# Altium PCB BC2-1AA.PcbDoc (part 2 of 2)
Units mm, origin at the board's own origin, x right, y up, seen from the top; angles counter-clockwise.
Board outline 200 x 80 mm, 4 copper layers (Top Layer, Mid 1 (GND), Mid 2 (PWR), Bottom Layer), stack 1.586 mm thick; 113 components, 55 nets, 355 pads, 77 vias.
Unrouted connection lines stored in the file: 7.
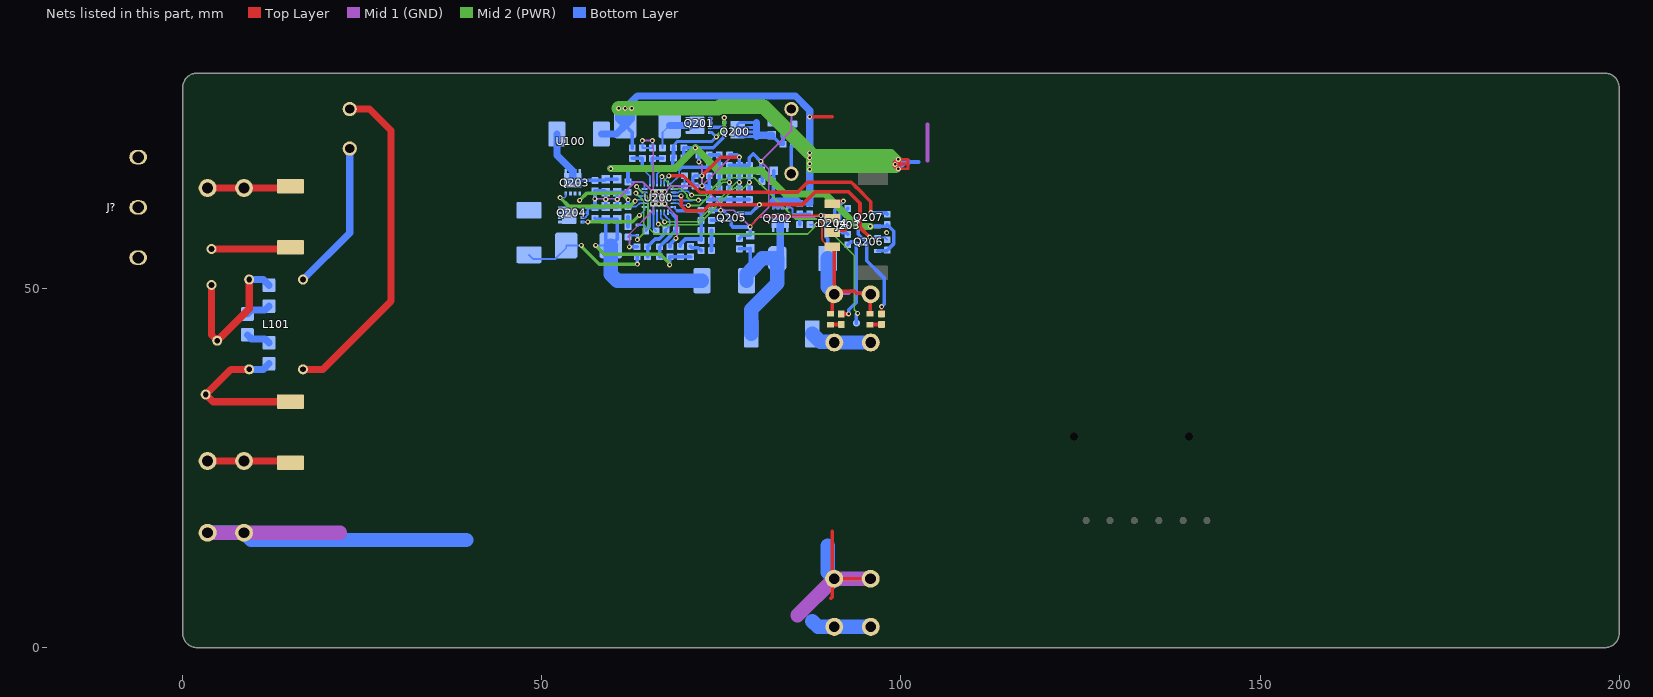
[diagram p4: the nets of this part, all layers, seen from the top]

## Part data (continued)
R222: "RES SM 0603 62K", Absolute Value=62000, Manufacturer=GENERIC, Manufacturer 1=YAGEO, Manufacturer Part Number 1=RC0603FR-1362KL, Manufacturer Part Number 2=RC0603FR-1062KL, Package=0603, Supplier Part Number 1=13-RC0603FR-1362KLCT-ND, Eurocircuits GPN=GPR060362K, HelpURL=https://www.yageo.com/upload/media/product/productsearch/datasheet/rchip/PYu-RC_Group_51_RoHS_L_12.pdf, Manufacturer 2=YAGEO, Part Number=62K/0603, Supplier 1=Digi-Key, Supplier 2=Digi-Key, Supplier Part Number 2=13-RC0603FR-1062KLCT-ND
R223: "RES SM 0603 24K", Absolute Value=24000, Manufacturer=GENERIC, Manufacturer 1=YAGEO, Manufacturer Part Number 1=RC0603FR-1324KL, Manufacturer Part Number 2=RC0603FR-1024KL, Package=0603, Supplier Part Number 1=13-RC0603FR-1324KLCT-ND, Eurocircuits GPN=GPR060324K, HelpURL=https://www.yageo.com/upload/media/product/app/datasheet/rchip/pyu-rc_group_51_rohs_l.pdf, Manufacturer 2=YAGEO, Part Number=24K/0603, Supplier 1=Digi-Key, Supplier 2=Digi-Key, Supplier Part Number 2=13-RC0603FR-1024KLCT-ND
R225: "RES SM 0603 27K", Absolute Value=27000, Manufacturer=GENERIC, Manufacturer 1=YAGEO, Manufacturer Part Number 1=RC0603FR-1327KL, Manufacturer Part Number 2=RC0603FR-1027KL, Manufacturer Part Number 3=RC0603FR-0727KL, Package=0603, Supplier Part Number 1=13-RC0603FR-1327KLCT-ND, Eurocircuits GPN=GPR060327K, HelpURL=https://www.yageo.com/upload/media/product/app/datasheet/rchip/pyu-rc_group_51_rohs_l.pdf, Manufacturer 2=YAGEO, Manufacturer 3=YAGEO, Part Number=27K/0603, Supplier 1=Digi-Key, Supplier 2=Digi-Key, Supplier 3=LCSC, Supplier Part Number 2=13-RC0603FR-1027KLCT-ND, Supplier Part Number 3=C114614
R227 R228 R229 R230 R232 R233: "RES SM 0603 0R", Absolute Value=0, JLC Type=Basic, Manufacturer=GENERIC, Manufacturer 1=YAGEO, Manufacturer 3="UNI-ROYAL(Uniroyal Elec)", Manufacturer Part Number 1=RC0603FR-070RL, Manufacturer Part Number 2=RC0603FR-130RL, Manufacturer Part Number 3=0603WAF0000T5E, Package=0603, Supplier Part Number 1=311-0.0HRCT-ND, Eurocircuits GPN=GPR06030R, HelpURL=https://www.yageo.com/upload/media/product/app/datasheet/rchip/pyu-rc_group_51_rohs_l.pdf, Manufacturer 2=YAGEO, Part Number=0R/0603, Supplier 1=Digi-Key, Supplier 2=Digi-Key, Supplier 3=LCSC, Supplier Part Number 2=13-RC0603FR-130RLCT-ND, Supplier Part Number 3=C21189
TP200: "SMD Test Point 1mm", Manufacturer=NONE, Part Number=TP_SMD_1
U100: "30W AC-DC PCB-Mount Green Power Module", Package=Module, HelpURL=https://www.meanwell-web.com/content/files/pdfs/productPdfs/MW/IRM-30/IRM-30-spec.pdf, Part Number=IRM30-15
U200: "BQ2461x Stand-Alone 1- to 6-Cell Synchronous Buck Battery Charger Controller", Manufacturer="Texas Instruments", Manufacturer Part Number 1=BQ24610RGER, Package=QFN-24, Supplier Part Number 1=296-29437-1-ND, HelpURL=https://www.ti.com/lit/ds/symlink/bq24610.pdf, Manufacturer 1="Texas Instruments", Manufacturer 3="Texas Instruments", Manufacturer Part Number 3=BQ24610RGER, Part Number=BQ24610, Supplier 1=Digi-Key, Supplier 3=LCSC, Supplier Part Number 3=C19384

## Via types
v1: diameter 0.7, hole 0.35, Top Layer to Bottom Layer, tented both sides, 68 vias
v2: diameter 0.7, hole 0.35, Top Layer to Bottom Layer, 9 vias

## Nets (pads, with @x,y where several pads share a name; then routed paths per layer and width w, separated by ;. In a path a pad name is that pad's centre, name@x,y a point inside that pad or via, vN(x,y) a via of type N, cw(c..) or ccw(c..) an arc to the next point about the centre after c; other vN are vias at no path point)
+3V3_CHG_VREF: C210.1 R213.1 R220.1 R221.1 R222.1 U200.4 U200.10 | length 18.4
  Mid 2 (PWR) w0.25: v1(66.699,65.6) 68.399,63.9 69.349,63.9 70.224,63.025 70.224,62.741 70.59,62.375 70.874,62.375 71.724,62.375 v1(71.799,62.3)
  Bottom Layer w0.25: U200.4@66.55,64.627 66.55,65.451 v1(66.699,65.6) ; U200.10@68.3,62.377 69.038,62.377 69.14,62.275 69.658,62.275 69.66,62.277 70.949,62.277 70.972,62.3 73.198,62.3 C210.1@73.3,62.402
  Bottom Layer w0.5: C210.1@73.3,62.402 R213.1@74.7,62.402 R220.1@76.099,62.402 R221.1@77.499,62.402 R222.1@78.899,62.402
ACSET: R222.2 R225.1 U200.16 | length 18.9
  Mid 2 (PWR) w0.25: v1(66.239,58.975) 66.361,58.975 66.436,58.9 66.615,58.9 66.84,58.675 67.358,58.675 67.583,58.9 71.698,58.9 71.766,58.9 76.866,64 78.099,64 v1(78.899,64.8)
  Bottom Layer w0.25: U200.16@66.05,60.627 66.05,59.149 66.199,59 66.239,59 v1(66.239,58.975)
  Bottom Layer w0.5: R222.2@78.899,63.852 v1(78.899,64.8) R225.1@78.899,65.702
GND_BAT: C100.2 C101.2 C200.2 C201.2 C204.2 C205.2 C206.2 C207.1 C209.2 C210.2 C214.2 C215.2 C216.2 C217.2 C218.2 C219.1 C220.2 C221.2 C222.2 C223.2 C224.2 C225.2 D200.1 D201.1 D202.2 D204.3 J2.1 J103.1 J201.1 J203.2 J203.4 J?.PE Q204.S Q205.2 R102.2 R217.2 R218.2 R219.2 R223.2 R224.2 R225.2 U100.4 U200.17 U200.EP | length 304.2
  Top Layer w0.25: v1(79,58.6) 79,58.701 80.474,60.175 v1(88.848,60.175) ; J203.4@90.43,55.8 89.93,55.8 89.079,56.651 89.079,56.821 89,56.899 89,59.4 88.848,59.552 v1(88.848,60.175) ; J203.2@90.43,59.8 90.055,60.175 v1(88.848,60.175)
  Top Layer w0.5: v1(72.299,65.7) 74.899,68.3 v1(77.5,68.3) ; 90.199,6.9 90.288,6.9 90.432,7.044 90.432,9.332 J2.1@90.7,9.6 ; D200.1@90.2,46.5 90.289,46.5 90.433,46.644 90.433,48.932 J201.1@90.701,49.2 90.701,49.6 93.531,49.6 93.781,49.35 95.631,49.35 J201.1@95.781,49.2 95.699,49.118 95.699,46.644 D201.1@95.7,46.5 ; 90.429,16.2 90.429,9.871 J2.1@90.7,9.6 ; J203.4@90.43,55.8 90.7,55.53 J201.1@90.7,49.6 ; J2.1@95.78,9.6 J2.1@90.7,9.6
  Mid 1 (GND) w0.25: v1(57.4,62.5) 60.615,62.5 62.94,64.825 63.458,64.825 63.483,64.8 64.099,64.8 v2@65.499,63.4 ; v1(62.2,55.8) 62.2,57.6 65.499,60.899 v2@65.499,61.8 ; v1(63.999,70.6) 65.299,70.6 v1@65.399,70.7 ; v1@65.499,70.6 v2@65.499,63.4 ; v2@66.299,63.4 v2@66.299,63.358 ; v1(68.65,56.975) 68.775,56.975 68.8,57 68.8,60.099 v2@67.099,61.8 ; v1(71.85,67.65) 72.299,67.201 v1(72.299,65.7) v1(72.3,64.3) ; v1(77.5,68.3) 76.3,68.3 v1(72.3,64.3) ; U100.4@84.75,75 84.75,71.95 v1(80.5,67.7) 81.6,66.6 81.6,61.301 80.274,59.975 ; v1(88.848,60.175) 88.773,60.1 88.123,60.1 87.998,59.975 80.274,59.975 ; v2@65.499,61.8 v2@65.499,62.6 ; v2@65.499,61.8 v2(66.299,61.8) ; v2@65.499,62.6 v2(66.299,62.6) ; v2@65.499,62.6 v2@65.499,63.4 ; v2@65.499,63.4 65.541,63.358 v2@66.299,63.358 ; v2(66.299,61.8) v2(66.299,62.6) ; v2(66.299,61.8) v2@67.099,61.8 ; v2(66.299,62.6) v2@67.099,62.6 ; v2(66.299,62.6) v2@66.299,63.358 ; v2@66.299,63.358 v2@67.057,63.358 ; v2@67.057,63.358 67.099,63.316 v2@67.099,62.6 ; v2@67.057,63.358 67.999,64.3 v1(72.3,64.3) ; v2@67.099,61.8 v2@67.099,62.6 ; v1(72.3,64.3) 74.899,61.701 v1(74.899,60.9) 76.7,60.9 v1(79,58.6) 79,58.701 80.274,59.975
  Mid 1 (GND) w0.5: J201.1@90.701,49.2 90.851,49.35 92.701,49.35 92.951,49.6 93.531,49.6 93.781,49.35 95.631,49.35 J201.1@95.781,49.2 ; 103.7,67.8 103.7,72.9
  Mid 1 (GND) w2: J103.1@3.46,16 J103.1@8.54,16 21.9,16 ; 85.6,4.5 J2.1@90.7,9.6 J2.1@95.78,9.6
  Bottom Layer w0.25: v1(63.999,70.6) C225.2@64,69.577 C209.2@65.4,69.577 v1(65.399,70.6) ; C219.1@65.924,58 65.55,58.374 65.55,61.877 U200.EP@66.3,62.627
  Bottom Layer w0.3: Q204.S@55.66,59.902 56.002,59.902 56.4,60.3 56.4,60.552 ; Q204.S@55.66,60.552 56.4,60.552 ; Q204.S@55.66,61.202 56.4,61.202 ; 56.4,61.252 56.4,61.202 ; 56.4,60.552 56.4,61.202
  Bottom Layer w0.5: 56.4,61.252 C216.2@57.4,61.252 ; C204.2@58.9,63.427 58.725,63.602 C206.2@57.4,63.602 v1(57.4,62.5) C216.2@57.4,61.252 ; C207.1@62,63.402 C205.2@60.5,63.402 ; v1(62.2,55.8) 62.227,55.827 C222.2@63.25,55.827 ; C223.2@67.85,55.827 67.85,56.175 v1(68.65,56.975) ; v1(71.85,67.65) C224.2@71.85,68.6 ; v1(72.299,65.7) C221.2@71.324,65.7 71,65.376 71,64.624 C220.2@71.324,64.3 v1(72.3,64.3) 72.852,64.3 C210.2@73.3,63.852 R217.2@73.3,65.702 ; R219.2@73.624,60.9 v1(74.899,60.9) 75.199,60.9 76.399,59.7 76.399,58.8 76.622,58.577 Q205.2@77.65,58.577 78.977,58.577 v1(79,58.6) C217.2@79,57.427 77.95,57.427 C218.2@77.5,56.977 ; R223.2@76.099,67.152 R224.2@77.474,67.152 ; R218.2@76.15,68.6 77.2,68.6 v1(77.5,68.3) ; R224.2@77.499,67.177 v1(77.5,68.3) ; R224.2@77.524,67.152 R225.2@78.899,67.152 78.899,68.216 79.442,68.758 v1(80.5,67.7) C200.2@80.5,66.427 80.675,66.252 C201.2@80.675,64.927 ; v1(88.848,60.175) 89.325,60.175 89.549,59.951 D204.3@89.55,58.8 ; D204.3@89.549,58.799 89.549,57.201 89.8,56.95 D202.2@89.8,54.2 ; C216.2@57.4,61.252 58.725,61.252 C215.2@58.9,61.427 ; C215.2@58.9,61.427 58.9,63.402 C205.2@60.5,63.402 ; C215.2@58.9,61.427 C214.2@60.5,61.427 C205.2@60.5,63.402
  Bottom Layer w2: J103.1@3.46,16 J103.1@8.54,16 9.54,15 39.5,15 ; 89.8,14.2 89.8,10.5 J2.1@90.7,9.6 ; D202.2@89.8,54.2 89.8,50.236 90.701,49.335 J201.1@90.701,49.2
  other v1: 98,57.8 58.9,62.415 60.5,62.414
  other v2: 65.45,61.8 67.1,61.8 65.45,62.6 67.1,62.6 65.45,63.45 66.299,63.45 67.1,63.45
ISET1: R220.2 R223.1 U200.11 | length 11.1
  Mid 2 (PWR) w0.25: v1(70.399,61.574) 71.974,61.574 75.2,64.8 v1(76.099,64.8)
  Bottom Layer w0.25: U200.11@68.3,61.877 68.972,61.877 69.262,61.587 70.386,61.587 v1(70.399,61.574)
  Bottom Layer w0.5: R220.2@76.099,63.852 v1(76.099,64.8) R223.1@76.099,65.702
ISET2: R221.2 R224.1 U200.15 | length 16.1
  Mid 2 (PWR) w0.25: v1(67.099,59.3) 71.6,59.3 77.1,64.8 v1(77.499,64.8)
  Bottom Layer w0.25: U200.15@66.55,60.627 66.55,59.849 v1(67.099,59.3)
  Bottom Layer w0.5: R221.2@77.499,63.852 v1(77.499,64.8) ; v1(77.499,64.8) R224.1@77.499,65.727
L: F100.1 J101.1 J?.L | length 11.6
  Top Layer w1: J101.1@3.46,26 J101.1@8.54,26 14.75,26 F100.1@15,25.75
L_f: F100.2 L101.3 R100.1 R104.1 | length 22.8
  Top Layer w1: L101.3@9.25,38.75 6.7,38.75 R100.1@3.2,35.25 4.2,34.25 F100.2@15,34.25
  Bottom Layer w1: L101.3@9.25,38.75 11.2,38.75 R104.1@12,39.55
L_filt: L101.1 U100.1 | length 46.9
  Top Layer w1: L101.1@16.75,38.75 19.5,38.75 29,48.25 29,72 26,75 U100.1@23.25,75
LN1: R104.2 R105.2 | length 3.5
  Bottom Layer w1: R105.2@9,43.55 9.55,43 11.45,43 R104.2@12,42.45
LN2: R105.1 R106.1 | length 3.5
  Bottom Layer w1: R105.1@9,46.45 9.55,47 11.45,47 R106.1@12,47.55
N: F101.1 J102.1 J?.N | length 11.6
  Top Layer w1: J102.1@3.46,64 J102.1@8.54,64 14.75,64 F101.1@15,64.25
N1: F101.2 R101.1 | length 11.1
  Top Layer w1: R101.1@4,55.5 14.75,55.5 F101.2@15,55.75
N_f: L101.4 R100.2 R101.2 R106.2 | length 21.5
  Top Layer w1: R101.2@4,50.5 4,43.55 R100.2@4.8,42.75 9.25,47.2 L101.4@9.25,51.25
  Bottom Layer w1: L101.4@9.25,51.25 11.2,51.25 R106.2@12,50.45
N_filt: L101.2 U100.2 | length 20.9
  Bottom Layer w1: L101.2@16.75,51.25 23.25,57.75 U100.2@23.25,69.5
NetC100_1: C100.1 C101.1 L100.2 Q200.D R102.1 | length 21.4
  Bottom Layer w0.4: 79.9,71.152 Q200.D@78.525,71.152 77.448,71.152 77.26,71.34 Q200.D@77.26,72.127 ; 79.9,71.802 Q200.D@78.525,71.802 77.585,71.802 Q200.D@77.26,72.127 ; 79.9,72.452 Q200.D@78.525,72.452 77.585,72.452 Q200.D@77.26,72.127 ; 79.9,73.102 Q200.D@78.525,73.102 77.502,73.102 77.26,72.86 Q200.D@77.26,72.127
  Bottom Layer w0.5: C100.1@82,71.35 83.25,70.1 L100.2@83.575,70.1 R102.1@83.575,71.475 ; R102.1@83.7,71.475 C101.1@85.1,71.475
  Bottom Layer w1: 79.9,71.152 79.9,71.802 79.9,72.452 79.9,73.102 ; 79.9,71.35 C100.1@82,71.35
NetC200_1: C200.1 C201.1 C208.1 J1.1 L200.1 Q202.S R200.2 R202.1 R228.1 | length 185.2
  Top Layer w0.4: v1(99.2,67.3) 99.225,67.325 99.625,67.325 101,67.325 ; v1(99.625,66.675) 101,66.675 101,67.325 ; v1(99.625,67.975) 101,67.975 101,67.325
  Top Layer w0.5: v1(87.3,73.9) 90.405,73.9
  Top Layer w0.7: v1@99.2,67.1 v1(99.625,66.675) 99.625,67.325 v1(99.625,67.975) 99.2,67.55 v1(99.2,67.3) v1@99.2,67.1
  Mid 2 (PWR) w1: v1@99.375,66.6 v1(87.3,66.6) v1(87.3,67.4) ; v1(99.625,67.975) 98.7,68.9 v1(87.3,68.9) v1(87.3,68.2) ; v1(87.3,67.4) 99.1,67.4 v1(99.2,67.3) 99.225,67.325 99.225,68.2 v1(87.3,68.2) ; v1(87.3,67.4) v1(87.3,68.2)
  Mid 2 (PWR) w2: v1(60.7,75.1) v1(62.5,75.1) ; v1(61.6,75.1) 74.579,75.1 74.779,75.3 80.9,75.3 v1(87.3,68.9)
  Bottom Layer w0.25: Q202.S@82.225,61.287 Q202.S@82.875,61.287 Q202.S@83.525,61.287 ; 83.525,62.151 84.57,62.151 ; 84.896,62.237 85.487,62.237 R202.1@85.899,61.825 R202.1@85.487,61.825
  Bottom Layer w0.4: Q202.S@82.225,61.287 82.225,62.175 ; Q202.S@82.875,61.287 82.875,62.175 ; Q202.S@83.525,61.287 83.525,62.151
  Bottom Layer w0.5: R200.2@61.6,72.727 62.6,71.727 R228.1@62.6,69.577 ; 82.225,62.175 82.225,64.827 C201.1@82.125,64.927 82.3,65.102 C200.1@82.3,66.427 ; R202.1@85.899,61.825 C208.1@87.299,61.825 ; 99.95,67.65 101.075,67.65 101.1,67.625 102.5,67.625
  Bottom Layer w0.7: 101.1,67.625 100.575,67.625 ; v1(99.2,67.3) 99.525,67.625 99.625,67.625 ; v1(99.2,67.3) 99.2,67.1 v1(99.625,66.675) ; v1(99.2,67.3) 99.2,67.55 v1(99.625,67.975) ; v1(99.625,66.675) 99.625,67.625 ; v1(99.625,66.675) 100.575,67.625 ; 99.625,67.625 99.975,67.625 ; 99.625,67.625 v1(99.625,67.975) ; v1(99.625,67.975) 99.95,67.65 99.975,67.625 ; 99.975,67.625 100.575,67.625
  Bottom Layer w1: L200.1@58.3,71.527 60.4,71.527 R200.2@61.6,72.727 ; 82.225,62.175 82.875,62.175 83.579,62.175 ; 83.717,62.237 85.487,62.237 R202.1@85.899,61.825 ; C208.1@87.299,61.825 v1@87.299,68.9 ; v1(87.3,68.9) v1(87.3,73.9) 87.3,74.8 85.3,76.8 63.3,76.8 v1(61.6,75.1) ; R200.2@61.6,72.727 60.7,73.627 v1(60.7,75.1) v1(61.6,75.1) ; R200.2@61.6,72.727 62.5,73.627 v1(62.5,75.1) v1(61.6,75.1) ; R200.2@61.6,72.727 v1(61.6,75.1)
  Bottom Layer w2: 87.65,3.7 88.45,2.9 J1.1@90.72,2.9 J1.1@95.8,2.9
NetC202_1: C202.1 C209.1 R227.2 U200.2 | length 5
  Bottom Layer w0.25: U200.2@65.55,64.627 C202.1@65.55,66.627
  Bottom Layer w0.5: C202.1@65.55,66.627 C202.1@65.45,66.727 65.4,66.777 C209.1@65.4,68.127 R227.2@66.8,68.127
NetC202_2: C202.2 C225.1 R228.2 U200.1@65.05,64.627 | length 5.3
  Bottom Layer w0.25: C202.2@64,66.727 65.05,65.677 U200.1@65.05,64.627
  Bottom Layer w0.5: R228.2@62.6,68.127 C225.1@64,68.127 C202.2@64,66.727
NetC203_2: C203.2 Q200.G Q201.G R201.2 R204.1 | length 14.6
  Mid 2 (PWR) w0.5: v1(74.294,71.106) 75.4,72.213 v1(75.4,73.8)
  Bottom Layer w0.25: Q200.G@75.4,73.102 v1(75.4,73.8)
  Bottom Layer w0.4: C203.2@68.326,69.599 68.326,69.926 68.9,70.5 73.687,70.5 v1(74.294,71.106) 73.648,71.752 Q201.G@73.46,71.752
  Bottom Layer w0.5: R204.1@68.25,66.727 R201.2@68.25,68.199 ; R201.2@68.326,68.199 C203.2@68.326,69.599
NetC204_1: C204.1 C205.1 C206.1 L200.2 Q203.D | length 15.4
  Bottom Layer w0.25: C204.1@58.76,65.087 60.36,65.087 C205.1@60.5,65.227
  Bottom Layer w0.5: Q203.D@54.3,65.087 58.76,65.087 C204.1@58.9,65.227 C205.1@60.5,65.227
  Bottom Layer w1: L200.2@52.1,71.527 52.1,68.552 54.3,66.352 Q203.D@54.3,65.087
NetC207_2: C207.2 R226.1 U200.24 | length 4.9
  Bottom Layer w0.25: C207.2@62,64.852 63.947,64.852 64.3,64.499 U200.24@64.3,63.877
  Bottom Layer w0.5: C207.2@62,64.852 R226.1@62,66.727
NetC208_2: C208.2 Q202.G R202.2 R203.2 | length 5.3
  Bottom Layer w0.25: Q202.G@84.175,61.287 84.74,61.287 84.895,61.133 84.895,60.529 85.049,60.375 R202.2@85.899,60.375 R202.2@85.887,60.362 ; R203.2@85.874,58.9 R203.2@85.887,58.913
  Bottom Layer w0.5: R203.2@85.887,58.913 R202.2@85.887,60.362 ; R202.2@85.899,60.375 C208.2@87.299,60.375
NetC211_1: C211.1 R209.2 | length 1.3
  Bottom Layer w0.5: R209.2@62,58.625 C211.1@62,59.975
NetC211_2: C211.2 L201.1 Q203.S Q204.D U200.20 | length 11
  Mid 2 (PWR) w0.5: v1(55.275,62.276) 56.299,63.3 61.1,63.3 v1(62,62.4)
  Bottom Layer w0.25: C211.2@62,61.425 63.154,61.425 63.606,61.877 U200.20@64.3,61.877
  Bottom Layer w0.5: C211.2@62,61.425 v1(62,62.4)
NetC213_1: C213.1 C214.1 C215.1 C216.1 L202.2 R208.2 R210.1 R230.1 | length 45.8
  Mid 2 (PWR) w0.5: v1(57.5,56) 58.7,54.8 66.5,54.8 67.8,53.5 v1(67.8,53.3)
  Bottom Layer w0.25: v1(57.5,56) R208.2@59.599,56 ; R230.1@67.8,54.377 R230.1@67.85,54.427
  Bottom Layer w0.5: C216.1@57.4,59.802 57.575,59.627 C215.1@58.9,59.627 ; v1(67.8,53.3) R230.1@67.8,54.377 ; R230.1@67.85,54.427 C213.1@69.3,54.427 R210.1@70.7,54.427 ; C215.1@58.9,59.627 C214.1@60.5,59.627 60.5,56.901 R208.2@59.599,56 58.9,56.699 C215.1@58.9,59.627
  Bottom Layer w2: R208.2@59.599,56 59.599,52 60.499,51.1 L202.2@72.299,51.1
NetC213_2: C213.2 R212.2 R214.2 R216.1 R219.1 U200.12 | length 11.9
  Bottom Layer w0.25: U200.12@68.3,61.377 68.853,60.824
  Bottom Layer w0.5: 68.853,60.824 72.098,60.824 R219.1@72.174,60.9 R216.1@72.174,59.5 R214.2@72.174,58.1 72.174,56.9 R212.2@72.174,56.7 71.974,56.9 70,56.9 69.3,56.2 C213.2@69.3,55.877
NetC217_1: C217.1 C218.1 D202.1 F200.1 L202.1 Q202.D | length 28.4
  Bottom Layer w0.25: C217.1@78.826,55.527 C217.1@78.899,55.6
  Bottom Layer w0.5: C218.1@77.5,55.527 78.826,55.527 78.9,55.527 C217.1@79,55.627 79,52.5 L202.1@78.499,51.999
  Bottom Layer w1: D202.1@82.7,54.1 D202.1@82.8,54.2 83.2,54.6 Q202.D@83.2,59.427
  Bottom Layer w2: L202.1@78.499,51.1 L202.1@78.499,51.999 ; L202.1@79,52.5 80.7,54.2 D202.1@82.8,54.2 82.8,50.725 79.15,47.075 F200.1@79.15,43.7
NetC219_2: C219.2 D203.2 U200.18 | length 4.8
  Bottom Layer w0.25: D203.2@63.3,58.852 64.248,58.852 64.474,58.626 C219.2@64.474,58 65.05,58.576 U200.18@65.05,60.627
NetC220_1: C220.1 C221.1 U200.7 | length 3.4
  Bottom Layer w0.25: U200.7@68.3,63.877 68.927,63.877 69.024,63.975 69.549,63.975 C220.1@69.874,64.3 C221.1@69.874,65.5 ; C221.1@69.874,65.5 69.974,65.6 C221.1@69.874,65.7 C221.1@69.874,65.5
NetC224_1: C224.1 R215.2 R217.1 R218.1 U200.6 | length 13
  Bottom Layer w0.25: U200.6@67.55,64.627 68.027,64.627 69.124,65.724 69.124,66.233 ; 69.125,66.234 69.125,66.574
  Bottom Layer w0.5: 69.125,66.574 69.451,66.9 73.048,66.9 R217.1@73.3,67.152 ; R217.1@73.3,67.152 R215.2@74.7,67.152 R218.1@74.7,68.6 C224.1@73.3,68.6 R217.1@73.3,67.152
NetD200_2: D200.2 R205.2 | length 1.5
  Top Layer w0.5: D200.2@90.2,44.976 90.218,44.994 91.681,44.994 R205.2@91.7,45.013
NetD201_2: D201.2 R206.2 | length 1.6
  Top Layer w0.5: D201.2@95.7,44.976 95.719,44.994 97.075,44.994 97.093,45.013 R206.2@97.3,45.013
NetD203_1: D203.1 R209.1 U200.22 | length 10.7
  Mid 2 (PWR) w0.25: v1(63.1,63.3) 64.199,62.201 64.199,57.702 v1(63.299,56.802)
  Bottom Layer w0.25: R209.1@62,57.175 62.227,57.402 D203.1@63.3,57.402 63.3,57.302 v1@63.3,56.801 ; v1(63.1,63.3) 63.523,62.877 U200.22@64.3,62.877 ; v1@63.299,56.8 v1(63.299,56.802)
NetD204_1: D204.1@91.45,59.45 J203.1@90.43,61.8 R233.2 | length 7.6
  Top Layer w0.5: J203.1@90.43,61.8 90.78,62.15 91.969,62.15 v1(92,62.181)
  Bottom Layer w0.5: D204.1@91.4,59.5 90.765,60.135 90.765,60.946 v1(92,62.181) ; D204.1@91.45,59.45 91.449,60.4 91.624,60.575 92.025,60.575 R233.2@92.6,61.15
NetD204_2: D204.2 J203.3 R232.2 | length 5.1
  Top Layer w0.5: J203.3@90.43,57.8 90.78,58.15 92.169,58.15 v1(92.569,58.55)
  Bottom Layer w0.5: v1(92.569,58.55) 91.85,58.55 D204.2@91.45,58.15 91.825,57.775 92.375,57.775 R232.2@92.6,57.55
NetF200_2: F200.2 J200.1 | length 8.6
  Bottom Layer w2: F200.2@87.65,43.7 88.754,42.596 90.625,42.596 J200.1@90.721,42.5 J200.1@95.801,42.5
NetL100_1: L100.1 U100.3 | length 4.8
  Bottom Layer w0.5: U100.3@84.75,66.623 U100.3@84.75,66 84.75,69.825 L100.1@85.025,70.1
NetL201_2: L201.2 R208.1 R229.1 | length 18.6
  Mid 2 (PWR) w0.5: v1(55.5,56) 55.5,55.9 58,53.4 v1(63.3,53.4)
  Bottom Layer w0.25: L201.2@48.199,54.7 48.799,54.1 51.949,54.1 51.949,54.2 53.399,55.65 R208.1@53.399,56 v1(55.5,56)
  Bottom Layer w0.5: R229.1@63.275,54.427 63.275,53.425 v1(63.3,53.4)
NetQ201_D: Q201.D R200.1 R227.1 | length 7.4
  Bottom Layer w0.25: R227.1@66.8,69.577 66.8,71.727 R200.1@67.8,72.727
  Bottom Layer w1: R200.1@67.8,72.727 Q201.D@71.6,72.727
NetQ203_G: Q203.G U200.21 | length 13.9
  Mid 2 (PWR) w0.5: v1(52.55,62.65) 53.773,61.427 62.243,61.427 v1(63,62.184)
  Bottom Layer w0.25: v1(52.55,62.65) 53.15,62.65 53.325,62.825 Q203.G@53.325,63.227 ; v1(63,62.184) 63,62.201 63.176,62.377 U200.21@64.3,62.377
NetQ204_G: Q204.G U200.19 | length 9.8
  Mid 2 (PWR) w0.5: v1(56.399,59.3) 62.674,59.3 v1(63.574,60.2)
  Bottom Layer w0.25: Q204.G@55.66,59.252 56.351,59.252 v1(56.399,59.3) ; v1(63.574,60.2) 63.6,60.2 64.3,60.9 U200.19@64.3,61.377
NetQ205_3: Q205.3 R216.2 | length 1.3
  Bottom Layer w0.5: R216.2@73.624,59.5 74.923,59.5 Q205.3@74.95,59.527
NetQ206_3: Q206.3 R205.1 R232.1 | length 13.2
  Top Layer w0.5: R205.1@91.7,46.463 92.691,46.463 v1(92.714,46.486)
  Bottom Layer w0.5: R232.1@92.6,56.1 93.038,56.538 93.487,56.538 93.8,56.225 Q206.3@94.025,56.225 ; v1(92.714,46.486) 92.714,47.03 93.8,48.116 93.8,56.175 93.825,56.2 Q206.3@94.05,56.2
NetQ207_3: Q207.3 R206.1 R233.1 | length 16.3
  Top Layer w0.25: R206.1@97.3,46.463 v1(97.3,47.5)
  Bottom Layer w0.5: R233.1@92.6,59.7 92.701,59.599 94.049,59.599 94.049,57.551 95.225,56.375 95.225,53.875 97.7,51.4 97.7,47.9 v1(97.3,47.5)
NetR203_1: R203.1 U200.23 | length 33.2
  Mid 2 (PWR) w0.25: v1(63.199,64.2) 64.799,62.6 64.799,58.501 65.7,57.6 86.999,57.6 v1(88.299,58.9)
  Bottom Layer w0.25: v1(63.199,64.2) 63.199,64.1 63.7,63.6 63.823,63.477 63.923,63.377 U200.23@64.3,63.377 ; R203.1@87.324,58.9 v1(88.299,58.9)
NetR204_2: R204.2 U200.3 | length 2.4
  Bottom Layer w0.25: U200.3@66.05,64.627 66.05,65.977 R204.2@66.8,66.727
NetR210_2: R210.2 R211.1 | length 1.7
  Bottom Layer w0.5: R210.2@70.7,55.877 70.877,55.7 71.774,55.7 R211.1@72.174,55.3
NetR211_2: R211.2 R212.1 R214.1 | length 2.8
  Bottom Layer w0.5: R211.2@73.624,55.3 R212.1@73.624,56.7 R214.1@73.624,58.1
NetR213_2: R213.2 R215.1 | length 1.9
  Bottom Layer w0.5: R213.2@74.7,63.852 R215.1@74.7,65.702
NetTP200_1: TP200.1 U200.8 | length 40.7
  Mid 2 (PWR) w0.25: v1(70.849,63) 72.834,63 75.034,65.2 75.615,65.2 75.84,65.425 75.864,65.425 76.325,65.425 79.575,65.425 85.3,59.7 88.4,59.7 93.5,54.6 93.5,47.031 v1(93.98,46.551)
  Bottom Layer w0.25: U200.8@68.3,63.377 68.992,63.377 69.165,63.55 70.299,63.55 v1(70.849,63)
  Bottom Layer w0.5: TP200.1@93.8,45.2 93.803,45.203 93.803,46.45 93.904,46.551 v1(93.98,46.551)
SRN: C212.2 C223.1 R230.2 U200.13 | length 7.8
  Bottom Layer w0.25: U200.13@67.55,60.627 67.873,60.627 68.3,60.2
  Bottom Layer w0.5: R230.2@66.4,54.427 C223.1@66.4,55.827 66.975,56.402 66.975,56.412 67.265,56.702 67.275,56.702 C212.2@68.724,58.151 ; 68.3,60.2 68.724,59.776 C212.2@68.724,58.2
SRP: C212.1 C222.1 R229.2 U200.14 | length 8.1
  Bottom Layer w0.25: U200.14@67.05,60.627 67.05,60.41 67.05,60.25 67.199,60.101 67.348,59.952 67.8,59.5 67.8,58.726 C212.1@67.274,58.2
  Bottom Layer w0.5: R229.2@64.725,54.427 64.725,55.802 C222.1@64.7,55.827 65.773,56.9 66.357,56.9 67.178,57.722 67.178,58.104 C212.1@67.274,58.2
STAT1: Q207.1@96.75,60.55 R231.2 U200.5 | length 36
  Top Layer w0.5: v1(67.699,65.7) 69.7,65.7 72,63.4 85.6,63.4 87,64.8 93.1,64.8 93.6,64.3 93.6,64.293 93.893,64 93.9,64 95.799,62.101 v1(95.799,60.575)
  Bottom Layer w0.25: U200.5@67.05,64.627 67.05,65.051 v1(67.699,65.7)
  Bottom Layer w0.5: v1(95.799,60.575) 96.725,60.575 96.775,60.525 97.925,60.525 R231.2@98.1,60.35
STAT2: Q205.1@77.65,60.477 Q206.1@96.75,57.15 R207.2 U200.9 | length 40.5
  Top Layer w0.5: v1(69.399,62.9) 69.399,61.514 70.089,60.824 72.524,60.824 73.35,61.65 74.589,61.65 75.21,61.65 80.249,61.65 v1(80.299,61.7) 86.3,61.7 88.1,63.5 92.7,63.5 94.3,61.9 94.3,58.497 v1(95.647,57.15)
  Bottom Layer w0.25: U200.9@68.3,62.877 69.376,62.877 v1(69.399,62.9) ; v1(95.647,57.15) Q206.1@96.75,57.15 96.798,57.102 97.798,57.102 R207.2@98.1,56.8
  Bottom Layer w0.5: Q205.1@77.65,60.477 79.076,60.477 v1(80.299,61.7)
VIN_CHG: C203.1 Q200.S Q201.S Q206.2 Q207.2 R201.1 R207.1 R226.2 R231.1 | length 63.2
  Mid 2 (PWR) w1: v1(59.6,66.7) 68.522,66.7 71.377,69.555 v1(71.377,69.599) 74.576,66.4 80.6,66.4 83.851,63.149 89.451,63.149 93.95,58.65 v1(95.75,58.65)
  Bottom Layer w0.5: v1(59.6,66.7) 59.627,66.727 R226.2@60.55,66.727 ; R201.1@69.776,68.199 C203.1@69.776,69.599 v1(71.377,69.599) 73.847,69.599 Q200.S@75.4,71.152 Q200.S@75.4,72.452 73.51,72.452 Q201.S@73.46,72.402 Q201.S@73.46,73.702 ; v1(95.75,58.65) Q207.2@96.75,58.65 97.85,58.65 R231.1@98.1,58.9 99,58 99,56.25 98.975,56.225 98.975,56.215 98.685,55.925 98.675,55.925 R207.1@98.1,55.35 98.025,55.275 96.775,55.275 Q206.2@96.75,55.25
pads on no net: D204.1@91.4,60 FM1.1 FM2.1 FM3.1 FM4.1 FM5.1 FM6.1 J203. J203.1@89.2,63.4 J?. M7.0 M8.1 M11.0 Q200.1 Q201.1 Q202.1 Q203.1 Q204.1 Q205.1@77.9,61.127 Q206.1@97,57.8 Q207.1@97,61.2 U200.1@64.3,64.627
copper on no net: | length 126.4
  Top Layer w0.4: v1(100.2,65.8) 100.425,66.025 101,66.025
  Top Layer w0.5: 90.199,5.376 91.474,5.376 91.511,5.413 91.699,5.413 ; 90.43,71.925 97.775,71.925 100.4,69.3 ; 91.699,6.863 91.731,6.832 92.668,6.832 v1(92.699,6.8) ; 102.2,56.9 102.3,56.9 102.4,57 102.4,58.925 102.9,59.425 ; 102.2,63.1 102.3,63.1 102.4,63 102.4,61.325 102.9,60.825
  Top Layer w2: 100.8,34.503 99,36.303 99,49.9 102.9,53.8 ; 102.2,63.1 102.295,63.1 102.845,63.65 102.845,66.985 102.86,67 ; 102.35,39.65 102.35,42.075 102.35,46.35 103.6,47.6
  Mid 2 (PWR) w0.25: 93.8,16.2 93.8,9.777 93.8,7.499 v1(94.299,7)
  Bottom Layer w0.5: v1(92.699,6.8) 93.8,7.901 93.8,16.6 ; 93.799,5.6 93.799,6.5 v1(94.299,7) ; v1(100.2,65.8) 100.425,66.025 100.95,66.025 101.1,66.175 102.5,66.175 ; 101.2,64.725 101.2,66.025 ; 102.65,64.725 102.65,63.95 102.675,63.925 103.85,63.925 ; 103.9,65.825 103.9,67.175
  Bottom Layer w1: 61.6,32.727 61.6,35.7 63,37.1 85.9,37.1 87.299,35.701 87.299,21.825

## Polygon pours and split planes (outlines as drawn)
GND_BAT on Mid 2 (PWR) "GND_BAT_L03_P010" (solid, remove dead copper, pour order 10): 32,26 36,30 36,66 68,66 71.25,69.25 74.5,66 81,66 83,64 102,64 102,26 36,26
NetC200_1 on Mid 2 (PWR) "NETC27_1_L03_P009" (solid, remove dead copper, pour order 9): 102,80 36,80 36,66 81,66 83,64 102,64
GND_BAT on Mid 1 (GND) "GND_BAT_L02_P011" (solid, remove dead copper, pour order 11): 36,80 36,34 80,34 84,38 94,38 100,44 100,80
GND_BAT on Top Layer "GND_BAT_L01_P013" (solid, remove dead copper, pour order 13): 36,80 36,34 80,34 84,38 100,38 100,80
GND_BAT on Bottom Layer "GND_BAT_L04_P000" (solid, remove dead copper, pour order 0): 94,38 100,44 100,80 36,80 36,34 54.9,34 54.9,25.8 61.9,25.8 61.9,31.027 63,32.127 63,34 65,36 86,36 86,29 85,28 81.5,28 81.5,21 88,21 88,38

## Keep-outs
Keep-Out Layer:
  lines w0.2: 0,19 25,19 ; 36,30 36,80

## Other copper
Bottom Layer:
  region net NetC213_1: 57,60.3 57,58.5 58,57.5 58,54.2 61.2,54.2 61.2,60.3
  region net NetC211_2: 53.8,63.5 53.8,62.7 53.2,62.1 46.4,62.1 46.4,59.7 51,59.7 51.7,59 54.8,59 54.8,61.5 55.2,61.9 55.8,61.9 55.8,63.5
  region net NetL201_2: 46.4,53.4 54,53.4 55,54.4 55,57.8 51.9,57.8 50.1,56 46.4,56
  region net NetC204_1: 50.9,73.3 50.9,65.8 52.6,64.1 56.4,64.1 56.4,66.7 53.3,69.8 53.3,73.3
  region net VIN_CHG: 73.1,74 73.1,72.2 74,72.2 74.9,71.3 74.9,71 75.7,71 75.7,72.7 75,72.7 74.8,72.9 74.8,74
  region net NetQ201_D: 66.2,70.9 66.2,74.6 69.5,74.6 70.1,74 72.6,74 72.6,71.5 70.1,71.5 69.5,70.9
  region net NetC217_1: 76.9,52.5 76.9,46.25 77.9,45.25 77.9,41.25 80.15,41.25 80.15,46 84.15,50 84.15,57 84.4,57.25 84.4,60 81.9,60 81.9,56.5 77.9,52.5
Multi-Layer:
  pour cut-out: 53.35,74.827 53.35,68.127 57.1,68.127 57.1,74.827
  pour cut-out: 44.899,55.95 51.599,55.95 51.599,59.7 44.899,59.7
  pour cut-out: 73.549,54.4 73.549,47.7 77.299,47.7 77.299,54.4

## Silkscreen, mask and mechanical layers (free items; w line width, h text height)
Top Overlay:
  circle w0.1: c126,75 r4
  circle w0.1: c195,5 r4
  circle w0.1: c195,75 r4
  circle w0.1: c5,75 r4
  circle w0.1: c5,5 r4
  lines w0.4: 97.75,42.5 99.75,42.5 ; 97.75,49.25 99.75,49.25 ; 98.75,41.5 98.75,43.5
  text "SW" at 90.978,76 h2 r90
  text "N" at 5,66 h4
  text "LED" at 91,62.8 h2 r90
  text "Danke an die Firma Schiller AG" at 37.978,46 h2 r90
  text "BAT" at 89.75,37.25 h4
  text "L" at 5,28 h4
  text "PE" at 4,19 h4
  text "A. Horat" at 9.5,8.02 h2
  text "D. Winz" at 9.5,6 h2
  text "FSCH 2024" at 9.5,4.022 h2
Bottom Overlay:
  circle w0.1: c126,75 r4
  circle w0.1: c195,5 r4
  circle w0.1: c195,75 r4
  circle w0.1: c5,75 r4
  circle w0.1: c5,5 r4
  text "A. Horat" at 19,3.02 h2
  text "D. Winz" at 19,1 h2
Mechanical 1:
  the board outline again, w0.1

## Text inside footprints (layer, text, board x,y; h text height)
M9: Top Assembly "000000" at 113.039,51.952 h3
M10: Top Overlay "JLCJLCJLCJLC" at 143.884,40.481 h1.2 r90